# KiCad board AMLDC-2044B - Placing Resistors.kicad_pcb (continued)
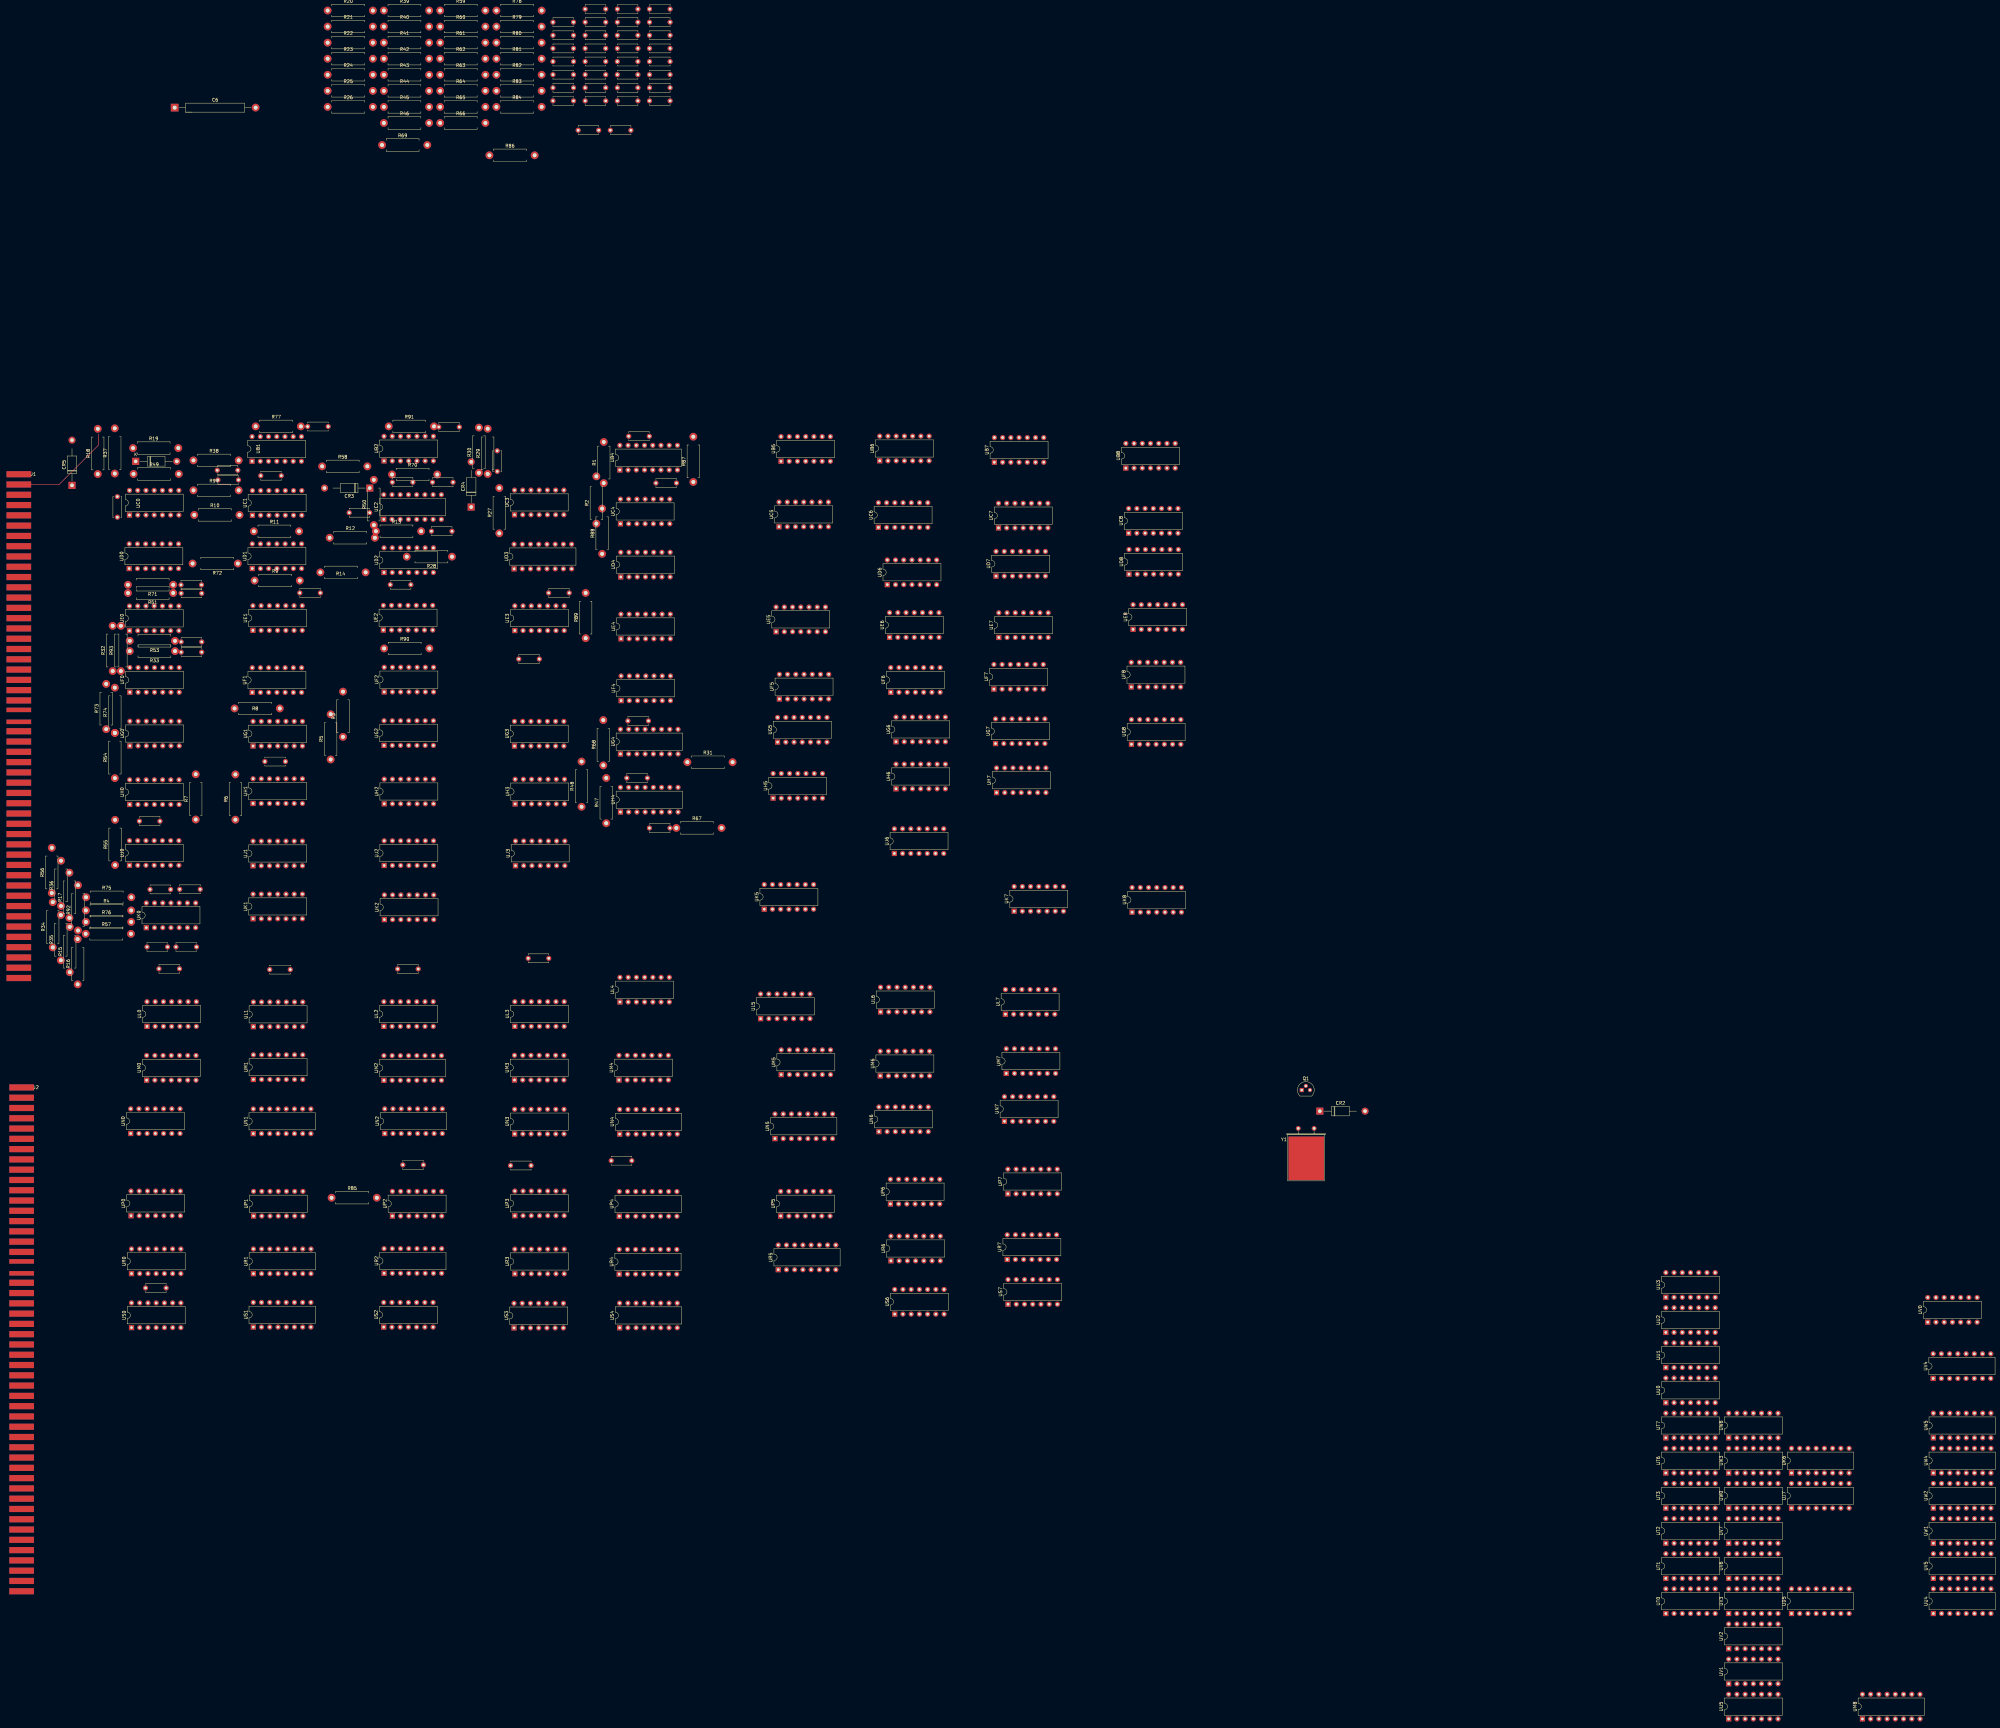
[diagram p0: board, top side]
## Nets (continued)
T1p8: UT1.8
T1p9: UT1.9
T1p10: UT1.10
T1p11: UT1.11
T1p12: UT1.12
T1p13: UT1.13
T2p1: UT2.1
T2p2: UT2.2
T2p4: UT2.4
T2p5: UT2.5
T2p6: UT2.6
T2p8: UT2.8
T2p9: UT2.9
T2p10: UT2.10
T2p12: UT2.12
T2p13: UT2.13
T3p1: UT3.1
T3p2: UT3.2
T3p3: UT3.3
T3p4: UT3.4
T3p5: UT3.5
T3p6: UT3.6
T3p8: UT3.8
T3p9: UT3.9
T3p10: UT3.10
T3p11: UT3.11
T3p12: UT3.12
T3p13: UT3.13
T6p1: UT6.1
T6p2: UT6.2
T6p3: UT6.3
T6p4: UT6.4
T6p5: UT6.5
T6p6: UT6.6
T6p8: UT6.8
T6p9: UT6.9
T6p10: UT6.10
T6p11: UT6.11
T6p12: UT6.12
T6p13: UT6.13
T7p1: UT7.1
T7p2: UT7.2
T7p3: UT7.3
T7p5: UT7.5
T7p8: UT7.8
T7p9: UT7.9
T7p10: UT7.10
T7p11: UT7.11
T7p12: UT7.12
T7p14: UT7.14
TRK0: J1.84
TRK1: J1.86
TRK2: J1.87
TRK3: J1.83
TRK4: J1.89
TRK5: J1.91
TRK6: J1.73
U0p1: UU0.1
U0p2: UU0.2
U0p3: UU0.3
U0p4: UU0.4
U0p5: UU0.5
U0p6: UU0.6
U0p8: UU0.8
U0p9: UU0.9
U0p10: UU0.10
U1p1: UU1.1
U1p3: UU1.3
U1p4: UU1.4
U1p5: UU1.5
U1p6: UU1.6
U1p7: UU1.7
U1p8: UU1.8
U1p9: UU1.9
U1p10: UU1.10
U1p11: UU1.11
U1p12: UU1.12
U1p13: UU1.13
U1p14: UU1.14
U2p1: UU2.1
U2p2: UU2.2
U2p3: UU2.3
U2p4: UU2.4
U2p5: UU2.5
U2p6: UU2.6
U2p8: UU2.8
U2p9: UU2.9
U2p10: UU2.10
U2p11: UU2.11
U2p12: UU2.12
U2p13: UU2.13
U3p1: UU3.1
U3p2: UU3.2
U3p3: UU3.3
U3p4: UU3.4
U3p5: UU3.5
U3p6: UU3.6
U3p8: UU3.8
U3p9: UU3.9
U3p10: UU3.10
U3p11: UU3.11
U3p12: UU3.12
U3p13: UU3.13
U4p1: UU4.1
U4p2: UU4.2
U4p3: UU4.3
U4p4: UU4.4
U4p5: UU4.5
U4p6: UU4.6
U4p7: UU4.7
U4p8: UU4.8
U4p9: UU4.9
U4p10: UU4.10
U4p11: UU4.11
U4p12: UU4.12
U4p13: UU4.13
U4p14: UU4.14
U5p1: UU5.1
U5p2: UU5.2
U5p4: UU5.4
U5p5: UU5.5
U5p6: UU5.6
U5p8: UU5.8
U5p9: UU5.9
U5p10: UU5.10
U5p12: UU5.12
U5p13: UU5.13
W0p1: UW0.1
W0p3: UW0.3
W0p4: UW0.4
W0p5: UW0.5
W0p6: UW0.6
W0p8: UW0.8
W0p9: UW0.9
W0p10: UW0.10
W0p11: UW0.11
W0p12: UW0.12
W0p13: UW0.13
W1p1: UW1.1
W1p2: UW1.2
W1p3: UW1.3
W1p4: UW1.4
W1p5: UW1.5
W1p6: UW1.6
W1p7: UW1.7
W1p8: UW1.8
W1p9: UW1.9
W1p10: UW1.10
W1p11: UW1.11
W1p12: UW1.12
W1p13: UW1.13
W1p14: UW1.14
W1p15: UW1.15
W1p16: UW1.16
W2p1: UW2.1
W2p2: UW2.2
W2p3: UW2.3
W2p4: UW2.4
W2p5: UW2.5
W2p6: UW2.6
W2p7: UW2.7
W2p8: UW2.8
W2p9: UW2.9
W2p10: UW2.10
W2p11: UW2.11
W2p12: UW2.12
W2p13: UW2.13
W2p14: UW2.14
W2p15: UW2.15
W2p16: UW2.16
W3p1: UW3.1
W3p2: UW3.2
W3p3: UW3.3
W3p4: UW3.4
W3p5: UW3.5
W3p6: UW3.6
W3p8: UW3.8
W3p9: UW3.9
W3p12: UW3.12
W3p13: UW3.13
W4p1: UW4.1
W4p2: UW4.2
W4p3: UW4.3
W4p4: UW4.4
W4p5: UW4.5
W4p6: UW4.6
W4p7: UW4.7
W4p8: UW4.8
W4p9: UW4.9
W4p10: UW4.10
W4p11: UW4.11
W4p12: UW4.12
W4p13: UW4.13
W4p14: UW4.14
W4p15: UW4.15
W4p16: UW4.16
W5p1: UW5.1
W5p2: UW5.2
W5p3: UW5.3
W5p4: UW5.4
W5p5: UW5.5
W5p6: UW5.6
W5p7: UW5.7
W5p8: UW5.8
W5p9: UW5.9
W5p10: UW5.10
W5p11: UW5.11
W5p12: UW5.12
W5p13: UW5.13
W5p14: UW5.14
W5p15: UW5.15
W5p16: UW5.16
W6p1: UW6.1
W6p2: UW6.2
W6p3: UW6.3
W6p4: UW6.4
W6p5: UW6.5
W6p6: UW6.6
W6p8: UW6.8
W6p9: UW6.9
W6p10: UW6.10
W6p11: UW6.11
W6p12: UW6.12
W6p13: UW6.13
WALLOUT: J1.65
WRT: J1.88
~{DATA0}: J2.62
~{DATA1}: J2.65
~{DATA2}: J2.82
~{DATA3}: J2.73
~{DATA4}: J2.61
~{DATA5}: J2.57
~{DATA6}: J2.95
~{DATA7}: J2.55
~{DATA8}: J2.60
~{DATA9}: J2.63
~{DATA10}: J2.75
~{DATA11}: J2.58
~{DATA12}: J2.59
~{DATA13}: J2.64
~{DATA14}: J2.56
~{DATA15}: J2.66
~{DCHA}: J1.60
~{DCHM0}: J2.17
~{DCHM1}: J2.21
~{DCHP IN}: J1.94
~{DCHP OUT}: J1.93
~{DCHR}: J2.35
~{DS0}: J1.72
~{DS1}: J1.68
~{DS2}: J1.66
~{DS3}: J1.46
~{DS4}: J1.62
~{DS5}: J1.64
~{INTP IN}: J1.96
~{INTP OUT}: J1.95
~{INTR}: J2.29
~{MSKO}: J1.38
~{RQENB}: J2.41
~{SELB}: J1.82
~{SELD}: J1.80
Net-(UG4A-Q): UG4.7 UG4.13
Net-(UG4A-~{Q}): UG4.4 UG4.10

Pads without a net: C1 1 2; C2 1 2; C3 1 2; C4 1 2; C5 1 2; C6 1 2; C7 1 2; C8 1 2; C9 1 2; C10 1 2; C11 1 2; C12 1 2; C13 1 2; C14 1 2; C15 1 2; C16 1 2; C17 1 2; C18 1 2; C19 1 2; C20 1 2; C21 1 2; C22 1 2; C23 1 2; C24 1 2; C25 1 2; C26 1 2; C27 1 2; C28 1 2; C29 1 2; C30 1 2; C31 1 2; C32 1 2; C33 1 2; C34 1 2; C35 1 2; C36 1 2; C37 1 2; C38 1 2; C39 1 2; C40 1 2; C41 1 2; C42 1 2; C43 1 2; C44 1 2; C45 1 2; C46 1 2; C47 1 2; C48 1 2; C49 1 2; C50 1 2; C51 1 2; C52 1 2; C53 1 2; C54 1 2; C55 1 2; C56 1 2; C57 1 2; C58 1 2; C59 1 2; C60 1 2; C61 1 2; C62 1 2; C63 1 2; C64 1 2; C65 1 2; C66 1 2; C67 1 2; C68 1 2; C69 1 2; C70 1 2; C71 1 2; C72 1 2; CR1 1 2; CR2 1 2; CR3 1 2; CR4 1 2; CR5 1 2; J1 5 7 8 9 11 12 13 14 15 16 17 18 19 20 21 22 23 24 25 26 27 28 29 30 31 32 35 36 37 39 41 43 45 47 49 51 53 55 77 78 92; J2 5 7 8 9 10 12 14 16 18 20 22 24 26 28 30 31 32 34 40 42 43 44 45 46 47 48 49 51 52 54 67 68 69 70 71 72 74 76 77 78 79 80 83 85 86 87 88 89 90 91 92 93 94 96; Q1 1 2 3; R1 1 2; R2 1 2; R3 1 2; R4 1 2; R5 1 2; R6 1 2; R7 1 2; R8 1 2; R9 1 2; R10 1 2; R11 1 2; R12 1 2; R13 1 2; R14 1 2; R15 1 2; R16 1 2; R17 1 2; R18 1 2; R19 1 2; R20 1 2; R21 1 2; R22 1 2; R23 1 2; R24 1 2; R25 1 2; R26 1 2; R27 1 2; R28 1 2; R29 1 2; R30 1 2; R31 1 2; R32 1 2; R33 1 2; R34 1 2; R35 1 2; R36 1 2; R37 1 2; R38 1 2; R39 1 2; R40 1 2; R41 1 2; R42 1 2; R43 1 2; R44 1 2; R45 1 2; R46 1 2; R47 1 2; R48 1 2; R49 1 2; R50 1 2; R51 1 2; R53 1 2; R54 1 2; R55 1 2; R56 1 2; R57 1 2; R58 1 2; R59 1 2; R60 1 2; R61 1 2; R62 1 2; R63 1 2; R64 1 2; R65 1 2; R66 1 2; R67 1 2; R68 1 2; R69 1 2; R70 1 2; R71 1 2; R72 1 2; R73 1 2; R74 1 2; R75 1 2; R76 1 2; R77 1 2; R78 1 2; R79 1 2; R80 1 2; R81 1 2; R82 1 2; R83 1 2; R84 1 2; R85 1 2; R86 1 2; R87 1 2; R88 1 2; R89 1 2; R90 1 2; R91 1 2; R92 1 2; R93 1 2; R94 1 2; UB1 7 14; UB2 7 14; UB4 8 16; UB5 7 14; UB6 7 9 10 14; UB7 7 14; UB8 4 6 7 13; UC0 7 14; UC1 7 14; UC2 8 16; UC3 7 14; UC4 7 14; UC5 7 14; UC6 7 14; UC7 7 14; UC8 7 14; UD0 7 14; UD1 7 14; UD2 7 14; UD3 8 16; UD4 7 14; UD5 8 16; UD6 7 14; UD7 7 14; UD8 7 13 14; UE0 7 14; UE1 7 14; UE2 7 14; UE3 4 7 14; UE4 7 14; UE5 5 7 14; UE6 7 14; UE7 3 11; UE8 7 14; UF0 7 14; UF1 7 14; UF2 7 14; UF4 7 13 14; UF5 7 14; UF6 7 14; UF7 7 14; UF8 3 7 11 14; UG0 7 9 10 13 14; UG1 7 14; UG2 7 14; UG3 7 14; UG4 1 2 3 5 6 8 9 11 12 14 15 16; UG5 7 13 14; UG6 7 14; UG7 7 14; UG8 7 11 12 13 14; UH0 7 14; UH1 7 14; UH2 7 14; UH3 7 14; UH4 8 16; UH5 7 14; UH6 7 14; UH7 7 14; UJ0 7 11 12 13 14; UJ1 7 14; UJ2 7 14; UJ3 7 14; UJ6 7 14; UJ7 8 16; UK0 7 14; UK1 7 14; UK2 7 14; UK5 7 14; UK6 8 16; UK7 7 14; UK8 7 14; UL0 7 14; UL2 6 7 14; UL3 7 14; UL5 3 7 11 14; UL6 7 14; UL7 7 14; UM0 7 14; UM3 7 14; UM5 7 14; UM6 7 14; UM7 7 14; UM8 5 7 13; UN0 7 14; UN3 3 7 14; UN6 7 14; UN7 3 7 11 14; UP0 7 9 14; UP1 7 14; UP2 7 14; UP3 7 14; UP4 1 2 3 4 5 6 7 8 9 10 11 12 13 14 15 16; UP5 3 7 11 14; UP6 7 14; UP7 4 6 7 13; UR0 7 14; UR3 7 14; UR5 15 16; UR6 7 14; UR7 4 6 7 13; US0 7 14; US2 1 2 3 4 5 6 7 8 9 10 11 12 13 14; US3 7 14; US6 4 7 14; US7 4 5 6 7 13; UT0 7 14; UT1 7 14; UT2 3 7 11 14; UT3 7 14; UT6 7 14; UT7 4 6 7 13; UU0 7 11 12 13 14; UU1 2; UU2 7 14; UU3 7 14; UU4 15 16; UU5 3 7 11 14; UV0 7 14; UV2 7 10 11 14; UV3 7 14; UV4 1 2 3 4 5 6 7 8 9 10 11 12 13 14 15 16; UV6 2 7 14; UV7 7 14; UW0 2 7 14; UW3 7 10 11 14; UW6 7 14; Y1 1 2 3

## Routing (per net, layer and track width the routed paths; a pad name or vN(x,y) marks a point on that pad's centre or on a via; arc(x,y) is an arc through that point)
+5V: length 33
  Top w0.2: 100.33,396.74 100.33,393.34 88.18,381.19 J1.3

## Text on the board
User.Comments: B C D E | F G H J  K | P R S | L M N | F G H J K | L  M N | 0   1   2   3   4   5   6   7   8
